# Altium PCB CanStepDriverPowerstep.PcbDoc
Units mm, origin at the board's own origin, x right, y up, seen from the top; angles counter-clockwise.
Board outline 80 x 80 mm, 4 copper layers (Top Layer, Power Layer, Ground Layer, Bottom Layer), stack 0.603 mm thick; 45 components, 43 nets, 243 pads, 50 vias.
Unrouted connection lines stored in the file: 89.
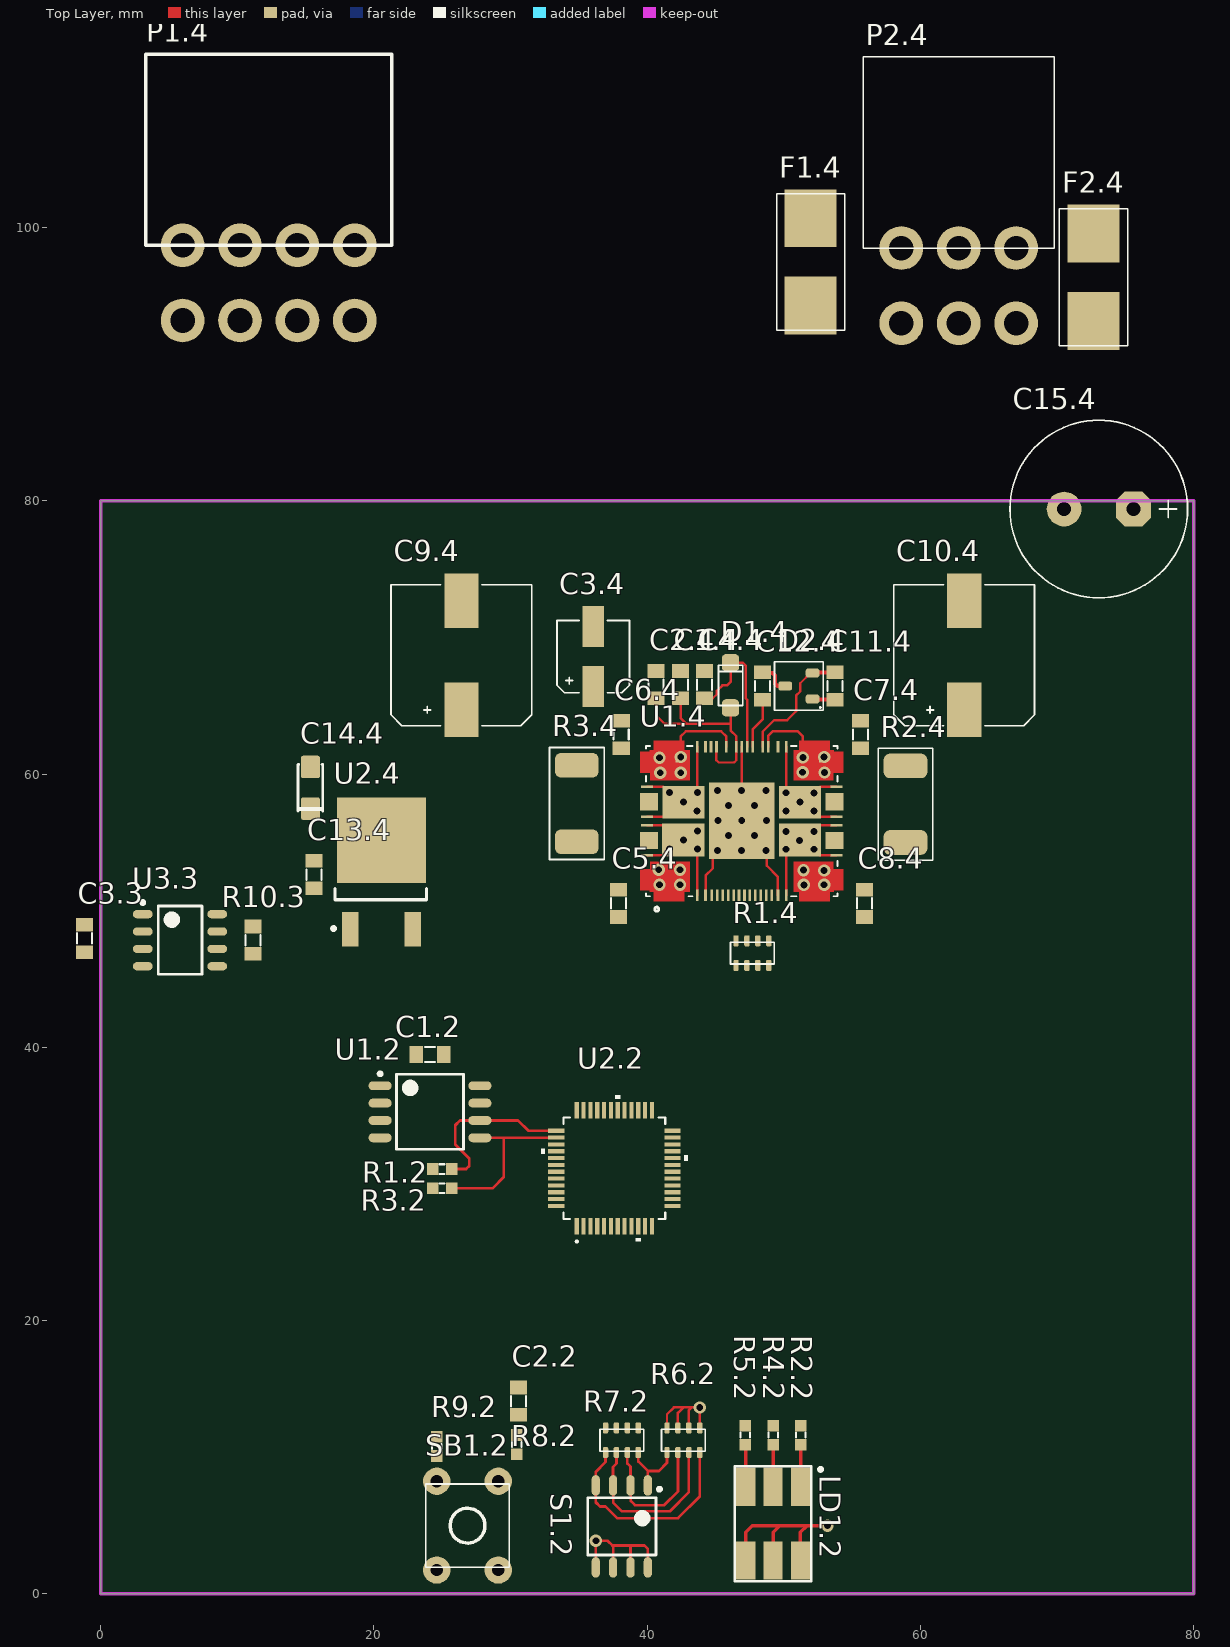
[diagram p0: Top Layer view]
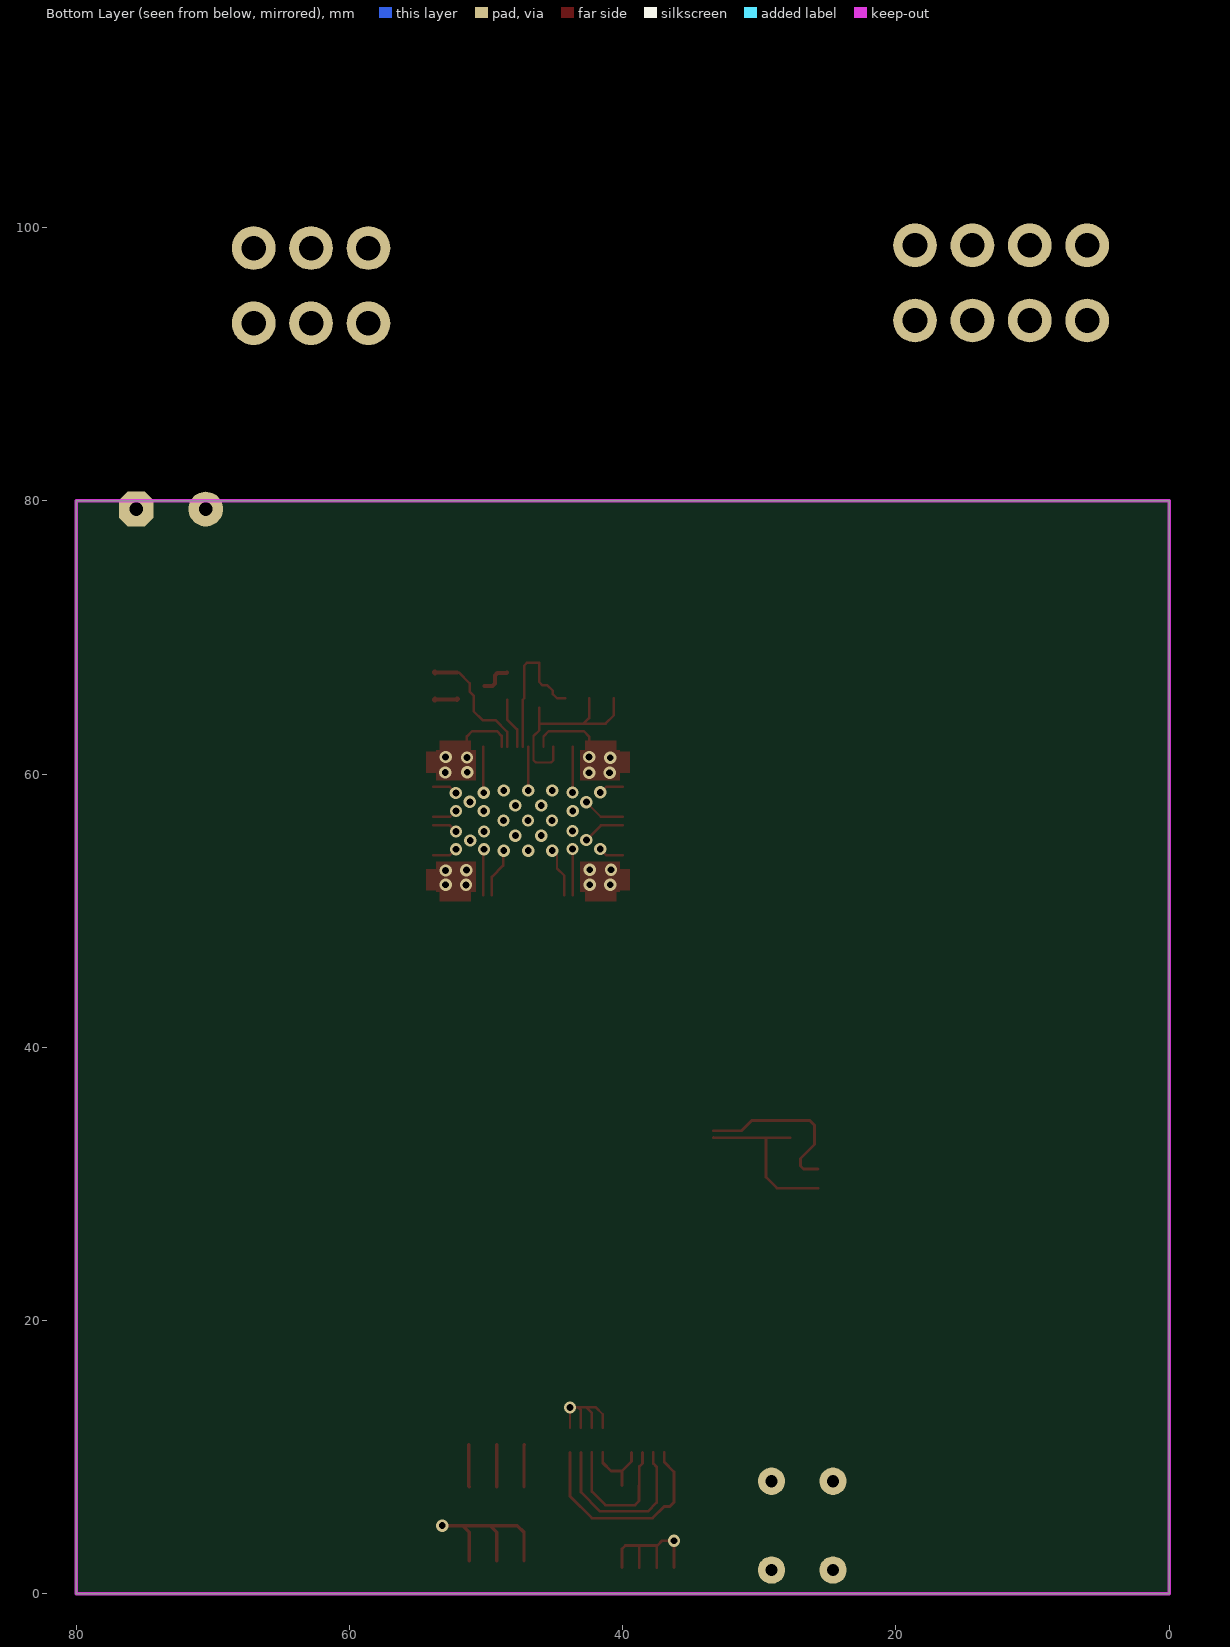
[diagram p1: Bottom Layer view, seen from below]
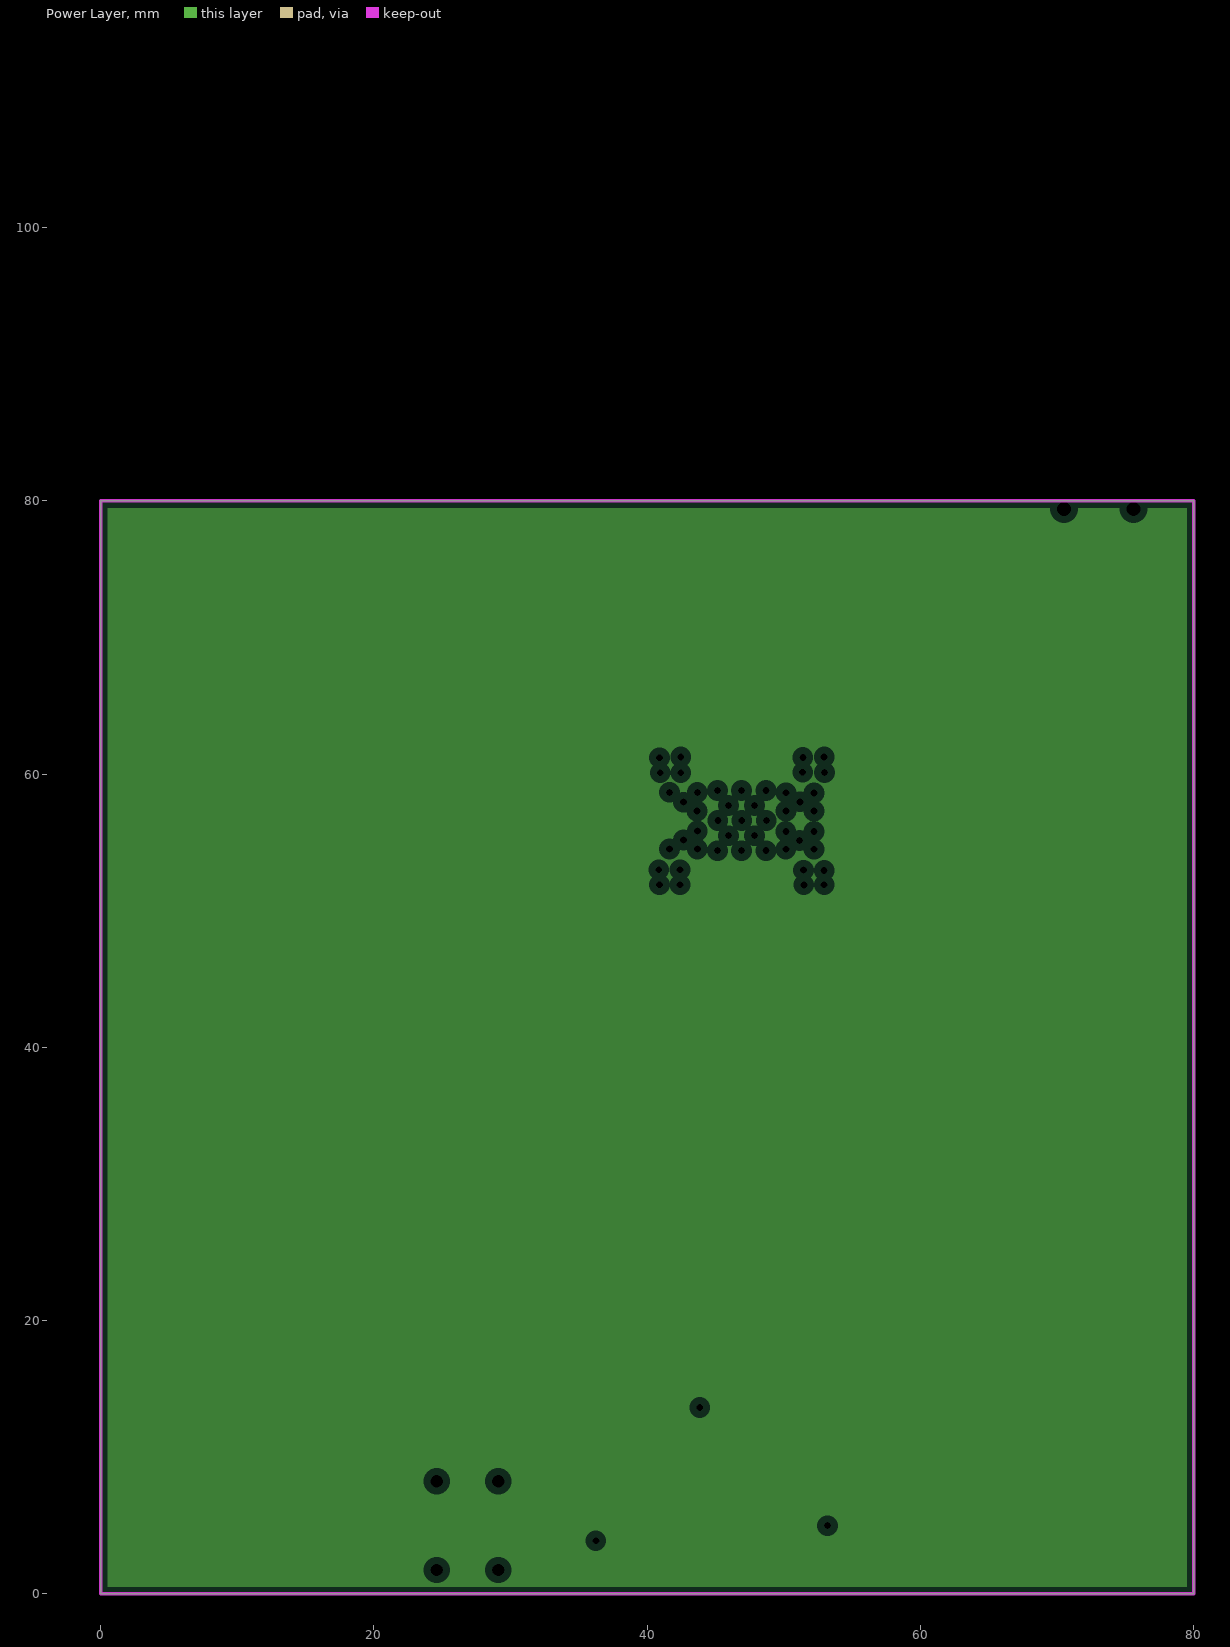
[diagram p2: Power Layer, clearances drawn from the general rule]
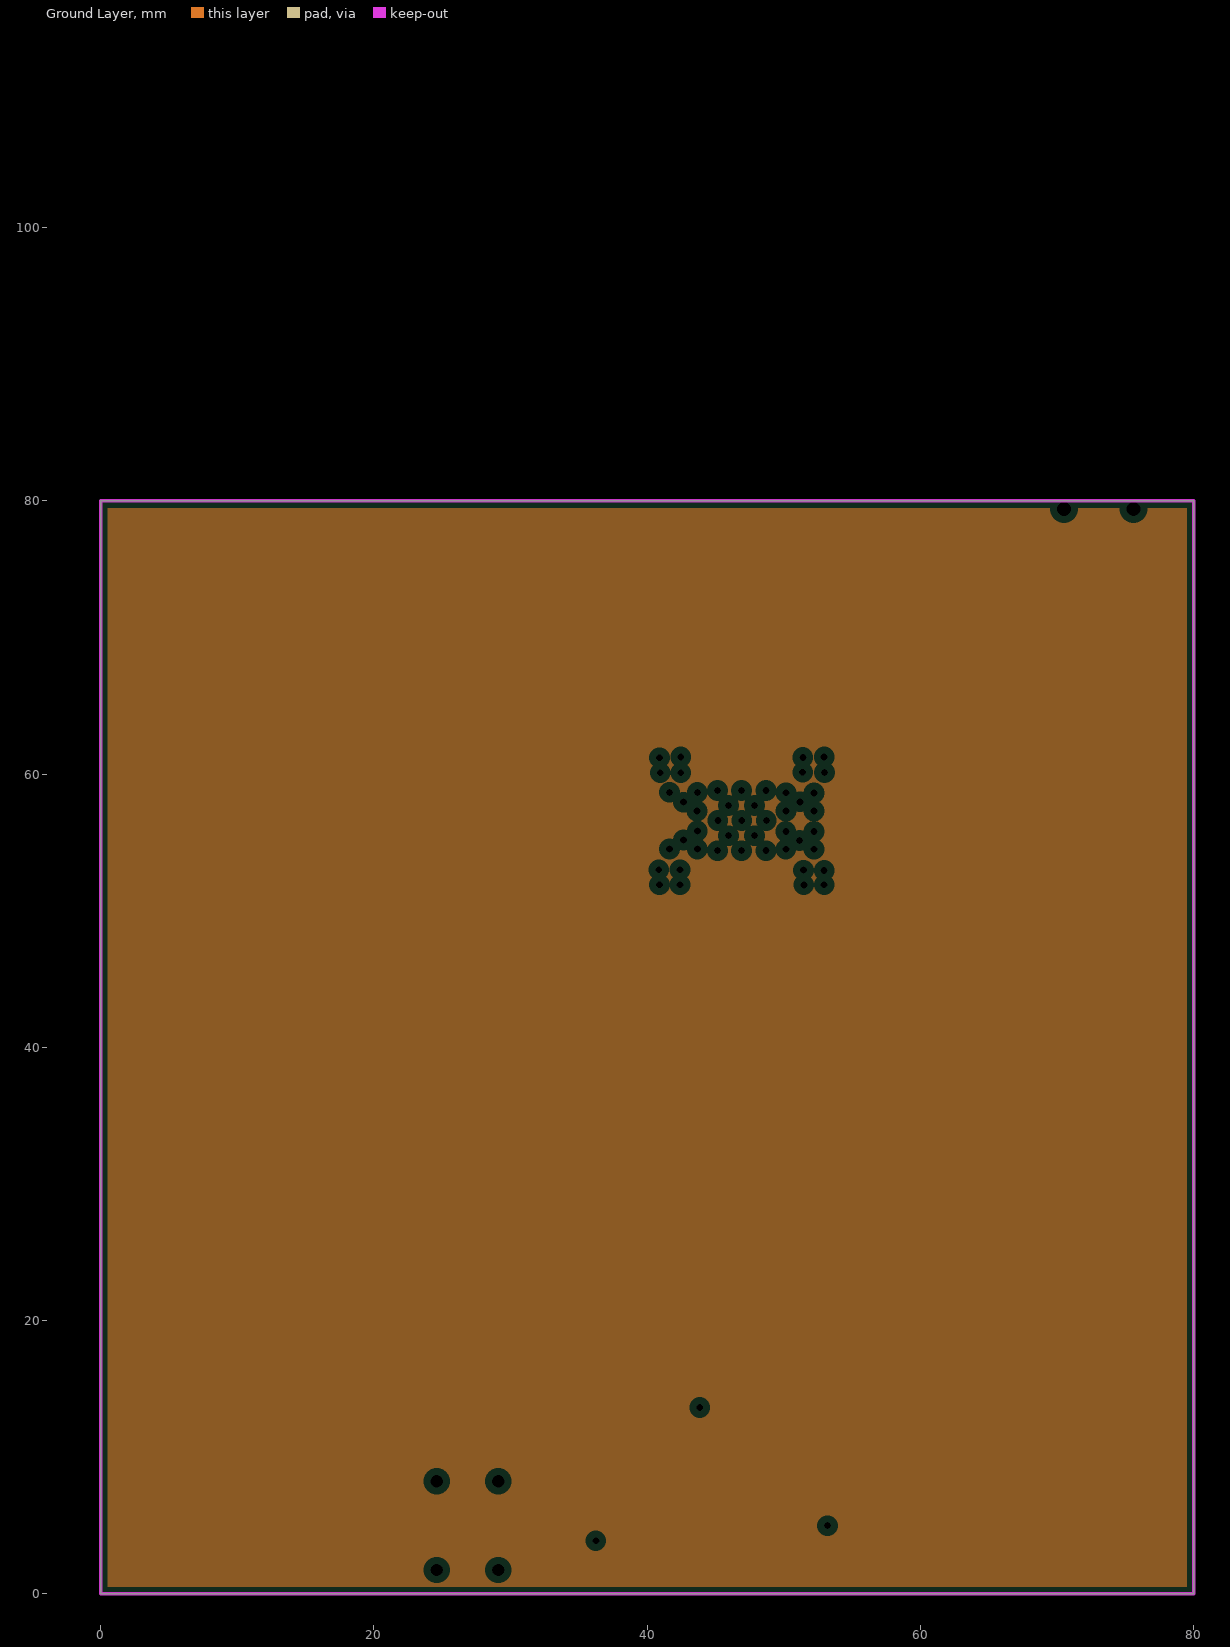
[diagram p3: Ground Layer, clearances drawn from the general rule]

## Layer stack, top to bottom
Top Solder: solder mask 0.0102, Solder Resist, Dk 3.5
Top Layer: signal copper 0.0356
Dielectric 2: prepreg 0.0711, PP-006, Dk 4.1
Power Layer: plane copper 0.035
Dielectric 1: dielectric 0.32, FR-4, Dk 4.8
Ground Layer: plane copper 0.035
Dielectric 3: prepreg 0.0711, PP-006, Dk 4.1
Bottom Layer: signal copper 0.0356
Bottom Solder: solder mask 0.0102, Solder Resist, Dk 3.5

## Board outline
0,0 0,80 80,80 80,0

## Design rules (kind name [scope] priority, off if disabled: settings)
Clearance [All] p1: gap=0.18 ignorepadtopadclearanceinfootprint=FALSE
PlaneClearance [All] p1: clearance=0.508
PlaneConnect [All] p1: planeconnectstyle=Relief reliefexpansion=0.508 reliefentries=4 reliefconductorwidth=0.254 reliefairgap=0.254
PolygonConnect [All] p1: connectstyle=Relief reliefconductorwidth=0.254 reliefentries=4 polygonreliefangle="90 Angle" airgapwidth=0.254
RoomDefinition "U_01 - MCU" [InComponentClass('U_01 - MCU')] p1: confinementstyle=ConfineIn formatcopy=TRUE lockcomponents=FALSE outline 13.1,-0.05 65.7,-0.05 65.7,43.55 13.1,43.55
RoomDefinition "U_03 - Power" [InComponentClass('U_03 - Power')] p2: confinementstyle=ConfineIn formatcopy=TRUE lockcomponents=FALSE outline 12.7,44.299 80.55,44.299 80.55,87.399 12.7,87.399
RoomDefinition "U_02 - Interfaces" [InComponentClass('U_02 - Interfaces')] p3: confinementstyle=ConfineIn formatcopy=TRUE lockcomponents=FALSE outline -9.3,36.594 12.95,36.594 12.95,76.544 -9.3,76.544
RoutingVias [All] p1: holewidth=0.711 width=1.27 viastyle="Through Hole" minholewidth=0.711 minwidth=1.27 maxholewidth=0.711 maxwidth=1.27
SolderMaskExpansion [All] p1: expansion=0.102 istentingtop=FALSE
Width [All] p1: maxlimit=1 minlimit=0.18 preferedwidth=0.25 minimp=50.000000 maximp=50.000000 favimp=50.000000
28 further rules are at their usual default settings.

## Classes and differential pairs
component class "U_02 - Interfaces": C3.3 R10.3 U3.3
component class "U_01 - MCU": C1.2 C2.2 LD1.2 R1.2 R2.2 R3.2 R4.2 R5.2 R6.2 R7.2 R8.2 R9.2 S1.2 SB1.2 U1.2 U2.2
component class "U_03 - Power": C1.4 C2.4 C3.4 C4.4 C5.4 C6.4 C7.4 C8.4 C9.4 C10.4 C11.4 C12.4 C13.4 C14.4 C15.4 D1.4 D2.4 F1.4 F2.4 P1.4 P2.4 R1.4 R2.4 R3.4 U1.4 U2.4

## Components (designator, comment, footprint, x,y, rotation, side; value= is the part's Value field where it differs from the comment)
C1.2 "100nF" "CAP: 0805" 24.105,39.479 r180 top (schematic designator C1)
C1.4 "100nF" "CAP: 0805" 42.45,66.549 r270 top (schematic designator C1)
C2.2 "100nF" "CAP: 0805" 30.571,14.109 r90 top (schematic designator C2)
C2.4 "220nF" "CAP: 0805" 40.65,66.549 r90 top (schematic designator C2)
C3.3 "100nF" "CAP: 0805" -1.175,47.972 r90 top (schematic designator C3)
C3.4 "47u" "EL SMD Case C D5x5.3 h5.4(0505)" 36.05,68.599 r90 top (schematic designator C3)
C4.4 "470nF" "CAP: 0805" 44.2,66.549 r90 top (schematic designator C4)
C5.4 "220nF" "CAP: 0805" 37.9,50.549 r270 top (schematic designator C5)
C6.4 "220nF" "CAP: 0805" 38.1,62.899 r90 top (schematic designator C6)
C7.4 "220nF" "CAP: 0805" 55.6,62.899 r90 top (schematic designator C7)
C8.4 "220nF" "CAP: 0805" 55.9,50.549 r270 top (schematic designator C8)
C9.4 "100u" "EL SMD Case G D10x10.3 h10.2(1010)" 26.4,68.699 r90 top (schematic designator C9)
C10.4 "100u" "EL SMD Case G D10x10.3 h10.2(1010)" 63.2,68.699 r90 top (schematic designator C10)
C11.4 "470nF" "CAP: 0805" 53.75,66.449 r90 top (schematic designator C11)
C12.4 "" "CAP: 0805" 48.45,66.449 r90 top value="47n x 100v" (schematic designator C12)
C13.4 "100nF" "CAP: 0805" 15.6,52.649 r90 top (schematic designator C13)
C14.4 "10u" "EL Case A (3216-18)" 15.35,58.999 r90 top (schematic designator C14)
C15.4 "1000u" El-d13-h21-F5.08 73.05,79.399 r0 top (schematic designator C15)
D1.4 "BAT46Z" SOD123 46.1,66.499 r90 top (schematic designator D1)
D2.4 "BAR43" SOT23 51.1,66.449 r90 top (schematic designator D2)
F1.4 "5A" "Littelfuse 0451/453" 51.966,97.49 r90 top (schematic designator F1)
F2.4 "8A" "Littelfuse 0451/453" 72.667,96.362 r90 top (schematic designator F2)
LD1.2 "FYLS-5050RGB" FYLS-5050RGB 49.215,5.143 r270 top (schematic designator LD1)
P1.4 "DS-1073-4x2" DS-1073-4x2 12.3,95.949 r90 top (schematic designator P1)
P2.4 "DS-1073_3x2" DS-1073-2x3 62.8,95.749 r90 top (schematic designator P2)
R1.2 "4k7" "RES: 0603" 24.994,31.097 r180 top (schematic designator R1)
R1.4 "47k" RM4x0603 47.7,46.899 r90 top (schematic designator R1)
R2.2 "220" "RES: 0603" 51.247,11.62 r270 top (schematic designator R2)
R2.4 "0R1" R2512 58.9,57.799 r270 top (schematic designator R2)
R3.2 "4k7" "RES: 0603" 24.994,29.7 r180 top (schematic designator R3)
R3.4 "0R1" R2512 34.85,57.849 r270 top (schematic designator R3)
R4.2 "220" "RES: 0603" 49.215,11.62 r270 top (schematic designator R4)
R5.2 "360" "RES: 0603" 47.183,11.62 r90 top (schematic designator R5)
R6.2 "10k" RM4x0603 42.65,11.25 r90 top (schematic designator R6)
R7.2 "470" RM4x0603 38.15,11.25 r270 top (schematic designator R7)
R8.2 "10k" "RES: 0603" 30.444,10.934 r90 top (schematic designator R8)
R9.2 "10k" "RES: 0603" 24.6,10.8 r90 top (schematic designator R9)
R10.3 "120" "RES: 0805" 11.144,47.845 r90 top (schematic designator R10)
S1.2 "DHN-04F-V" SOIC-8-DIP_W 38.141,4.943 r270 top (schematic designator S1)
SB1.2 "TS-06" TS-06 26.85,5 r0 top (schematic designator SB1)
U1.2 "24LC256I/SM" "SOP-8N (SOIJ)" 24.105,35.288 r0 top (schematic designator U1)
U1.4 "POWERSTEP01" POWERSTEP01 46.92,56.564 r90 top (schematic designator U1)
U2.2 "STM32G431CBTx" LQFP48-7x7mm 37.6,31.15 r90 top value=Value (schematic designator U2)
U2.4 "LD1117DT33CTR" DPAK 20.55,51.899 r90 top (schematic designator U2)
U3.3 "MCP2551" SOIC-8N 5.81,47.845 r0 top (schematic designator U3)

## Footprints (in the part's own frame and the unit in brackets; to place one, negate y for a bottom-side part, rotate by r counter-clockwise, add the part's x,y. Pads: shape width x height; smd on the part's side, far side on the other; paste and mask are expansions set on the pad)
"CAP: 0805" [mm]
  rect 1x1.25 smd: 1(-1,0) 2(1,0)
  silkscreen extent -0.38,-0.55 0.38,0.55, body extent -1,-0.62 1,0.63, height 0.78
DPAK [mm]
  rect 2.5x1.2 smd: 1(-3.25,2.29) 3(-3.25,-2.29)
  rect 6.25x6.5 smd: 2(3.25,0)
  round 0.5 on Mech1: ""(-3.2,2.9)
  silkscreen extent -3.32,-3.3 -0.3,3.62, body extent -3.8,-3.32 6.3,3.42, height 2.37
DS-1073-2x3 [mm]
  round 3.2 hole 1.8: 1(-2.75,4.2) 2(2.75,4.2) 3(-2.75,0) 4(2.75,0) 5(-2.75,-4.2) 6(2.75,-4.2)
  oval 1.35x1 hole 3.2 unplated: ""(10.05,-4.2) ""(10.05,4.2)
  silkscreen extent 2.75,-7 16.75,7, body extent -3.29,-7 16.84,6.9, height 11.44
DS-1073-4x2 [mm]
  round 3.2 hole 1.8: 1(-2.75,6.3) 2(2.75,6.3) 3(-2.75,2.1) 4(2.75,2.1) 5(-2.75,-2.1) 6(2.75,-2.1) 7(-2.75,-6.3) 8(2.75,-6.3)
  oval 1.35x1 hole 3.2 unplated: ""(10.05,-6.3) ""(10.05,6.3)
  silkscreen extent 2.75,-9 16.75,9, body extent -3.23,-9.08 16.9,8.98, height 11.44
"EL Case A (3216-18)" [mm] "Capacitor, SM Tantalum; Body 3.2 x 1.6 mm (LxW typ)"
  rrect25% 1.65x1.4 smd: 1(-1.525,0) 2(1.525,0)
  silkscreen extent -1.7,-0.9 1.7,0.9, body extent -1.6,-0.8 1.6,0.8, height 1.61
"EL SMD Case C D5x5.3 h5.4(0505)" [mm]
  rect 3x1.6 smd mask+0.102: 1(-2.2,0) 2(2.2,0)
  silkscreen extent -2.65,-2.65 2.65,2.65, body extent -2.95,-2.65 2.95,2.65, height 5.41
"EL SMD Case G D10x10.3 h10.2(1010)" [mm]
  rect 4x2.5 smd mask+0.102: 1(-4,0) 2(4,0)
  silkscreen extent -5.15,-5.15 5.15,5.15, body extent -5.8,-5.15 5.8,5.15, height 10.2
El-d13-h21-F5.08 [mil]
  oct 100x100 hole 40: 1(100,0)
  round 100 hole 40: 2(-100,0)
  silkscreen extent -256,-256 256,256, body extent -257,-256 257,255, height 848
FYLS-5050RGB [mm]
  rect 2.8x1.4 smd: 1(-2.7,2) 2(-2.7,0) 3(-2.7,-2) 4(2.7,-2) 5(2.7,0) 6(2.7,2)
  silkscreen extent -4.2,-2.8 4.2,3.6, body extent -2.76,-2.55 2.78,2.55, height 1.6
"Littelfuse 0451/453" [mm]
  rect 4.24x3.81 smd: 1(-3.19,0) 2(3.19,0)
  silkscreen extent -5,-2.5 5,2.5, body extent -5.09,-2.47 5.04,2.52, height 3.68
LQFP48-7x7mm [mm]
  rect 1.194x0.305 smd paste+0 mask+0: 1(-4.25,2.75) 2(-4.25,2.25) 3(-4.25,1.75) 4(-4.25,1.25) 5(-4.25,0.75) 6(-4.25,0.25) 7(-4.25,-0.25) 8(-4.25,-0.75) 9(-4.25,-1.25) 10(-4.25,-1.75) 11(-4.25,-2.25) 12(-4.25,-2.75) 25(4.25,-2.75) 26(4.25,-2.25) 27(4.25,-1.75) 28(4.25,-1.25) 29(4.25,-0.75) 30(4.25,-0.25) 31(4.25,0.25) 32(4.25,0.75) 33(4.25,1.25) 34(4.25,1.75) 35(4.25,2.25) 36(4.25,2.75)
  rect 0.305x1.194 smd paste+0 mask+0: 13(-2.75,-4.25) 14(-2.25,-4.25) 15(-1.75,-4.25) 16(-1.25,-4.25) 17(-0.75,-4.25) 18(-0.25,-4.25) 19(0.25,-4.25) 20(0.75,-4.25) 21(1.25,-4.25) 22(1.75,-4.25) 23(2.25,-4.25) 24(2.75,-4.25) 37(2.75,4.25) 38(2.25,4.25) 39(1.75,4.25) 40(1.25,4.25) 41(0.75,4.25) 42(0.25,4.25) 43(-0.25,4.25) 44(-0.75,4.25) 45(-1.25,4.25) 46(-1.75,4.25) 47(-2.25,4.25) 48(-2.75,4.25)
  silkscreen extent -5.43,-5.35 5.35,5.35, body extent -4.5,-4.5 4.5,4.5, height 1.6
POWERSTEP01 [mm]
  rect 0.5x0.5 smd paste-1 mask+0: 1(-3.6,4.65) 23(-3.6,-4.6) 43(4.55,-5.9) 66(4.55,4.6)
  rect 0.86x0.19 smd: 7(-5.435,3.27) 8(-5.435,2.65) 9(-5.435,2.2) 10(-5.435,1.8) 11(-5.435,1.4) 12(-5.435,1) 13(-5.435,0.6) 14(-5.435,0.2) 15(-5.435,-0.2) 16(-5.435,-0.6) 17(-5.435,-1) 18(-5.435,-1.4) 19(-5.435,-1.8) 20(-5.435,-2.2) 21(-5.435,-2.65) 22(-5.435,-3.27) 53(5.435,-3.27) 54(5.435,-2.65) 55(5.435,-1.93) 56(5.435,-1.53) 57(5.435,-0.8) 58(5.435,-0.4) 59(5.435,0) 60(5.435,0.4) 61(5.435,1.13) 62(5.435,1.85) 63(5.435,2.25) 64(5.435,2.65) 65(5.435,3.27)
  rect 0.19x0.86 smd: 33(-2.51,-6.935) 37(-0.32,-6.935) 38(0.32,-6.935) 42(2.51,-6.935) 76(2.51,6.935) 80(0.32,6.935) 81(-0.32,6.935) 85(-2.51,6.935)
  rect 1.26x1.3 smd paste-2: 34(-1.42,-6.79) 39(1.42,-6.79) 77(1.42,6.79) 82(-1.42,6.79)
  rect 2.4x3.1 smd paste-3: EPAD3(-1.38,-4.26) EPAD4(1.38,-4.26) EPAD7(1.38,4.26) EPAD8(-1.38,4.27)
  rect 5.6x4.8 smd paste-4: EPAD9(0.04,0)
  Top Layer region: -3.54,6.71 -2.99,6.71 -2.99,3.81 -5.18,3.81 -5.18,4.2 -5.86,4.2 -5.86,6.45 -5.19,6.45 -5.19,6.72 -5.07,6.72 -5.07,7.44 -3.54,7.44
  Top Layer region: 5.18,-4.2 5.86,-4.2 5.86,-6.45 5.19,-6.45 5.19,-6.72 5.07,-6.72 5.07,-7.44 3.54,-7.44 3.54,-6.71 2.99,-6.71 2.99,-3.81 5.18,-3.81
  Top Layer region: 5.07,6.72 5.19,6.72 5.19,6.45 5.86,6.45 5.86,4.2 5.18,4.2 5.18,3.81 2.99,3.81 2.99,6.71 3.54,6.71 3.54,7.44 5.07,7.44
  Top Layer region: -2.99,-6.71 -3.54,-6.71 -3.54,-7.44 -5.07,-7.44 -5.07,-6.72 -5.19,-6.72 -5.19,-6.45 -5.86,-6.45 -5.86,-4.2 -5.18,-4.2 -5.18,-3.81 -2.99,-3.81
  silkscreen extent -6.59,-7 5.5,7, body extent -5.5,-7 5.5,7, height 1
R2512 [mm]
  rrect50% 1.8x3.2 smd: 1(-2.8,0) 2(2.8,0)
  silkscreen extent -4.1,-2 4.1,2, body extent -3.16,-1.6 3.16,1.6, height 0.62
"RES: 0603" [mm]
  rect 0.85x0.85 smd: 1(-0.7,0) 2(0.7,0)
  silkscreen extent -0.18,-0.35 0.18,0.35, body extent -0.8,-0.4 0.8,0.4, height 0.44
"RES: 0805" [mm]
  rect 1x1.25 smd: 1(-1,0) 2(1,0)
  silkscreen extent -0.38,-0.55 0.38,0.55, body extent -1,-0.6 1,0.6, height 0.44
RM4x0603 [mm]
  rrect50% 0.8x0.4 smd: 1(-0.9,1.2) 2(-0.9,0.4) 3(-0.9,-0.4) 4(-0.9,-1.2) 5(0.9,-1.2) 6(0.9,-0.4) 7(0.9,0.4) 8(0.9,1.2)
  silkscreen extent -0.8,-1.6 0.8,1.6, body extent -0.8,-1.6 0.8,1.6, height 0.5
SOD123 [mil]
  rrect50% 50x50 smd: 1(-65,0) 2(65,0)
  silkscreen extent -58,-35 58,35, body extent -77,-35 77,35, height 47
SOIC-8-DIP_W [mm] "SOIC, 8-Leads, Body 4,90x3,90mm, Pitch 1,27mm, IPC Medium Density"
  oval 1.5x0.6 smd: 1(-3,1.905) 2(-3,0.635) 3(-3,-0.635) 4(-3,-1.905) 5(3,-1.905) 6(3,-0.635) 7(3,0.635) 8(3,1.905)
  silkscreen extent -2.85,-2.5 2.1,2.88, body extent -3.35,-3.15 3.35,3.16, height 1.61
SOIC-8N [mm] "SOIC, 8-Leads, Body 4,90x3,90mm, Pitch 1,27mm, IPC Medium Density"
  oval 1.45x0.6 smd: 1(-2.725,1.905) 2(-2.725,0.635) 3(-2.725,-0.635) 4(-2.725,-1.905) 5(2.725,-1.905) 6(2.725,-0.635) 7(2.725,0.635) 8(2.725,1.905)
  silkscreen extent -2.85,-2.5 1.6,2.88, body extent -3,-2.5 3,2.5, height 1.75
"SOP-8N (SOIJ)" [mm] "SOP, 8-Leads, Body 5,38x5,38mm, Pitch 1,27mm, IPC Medium Density"
  oval 1.7x0.65 smd: 1(-3.65,1.905) 2(-3.65,0.635) 3(-3.65,-0.635) 4(-3.65,-1.905) 5(3.65,-1.905) 6(3.65,-0.635) 7(3.65,0.635) 8(3.65,1.905)
  silkscreen extent -3.77,-2.75 2.45,2.9, body extent -4,-2.62 4,2.63, height 2.58
SOT23 [mm] "SOT-23; 3 Leads; Body 3.0 x 2.6 mm Pitch 0.95mm"
  rrect50% 0.65x1 smd: 1(-0.95,-1) 2(0.95,-1) 3(0,1)
  silkscreen extent -1.78,-1.78 1.78,1.78, body extent -1.46,-1.23 1.46,1.24, height 1
TS-06 [mm]
  round 2 hole 0.9: 1(-2.25,-3.25) 1(-2.25,3.25) 2(2.25,-3.25) 2(2.25,3.25)
  silkscreen extent -3.05,-3.05 3.05,3.05, body extent -3,-3.3 3,3.3, height 3.95

## Part data
C1.2 C1.4 C2.2 C2.4 C3.3 C4.4 C5.4 C6.4 C7.4 C8.4 C11.4 C12.4 C13.4: library part C-0805, "SMD-0805", Price=0.014
  C2.4 C5.4 C6.4 C7.4 C8.4: ComponentLink1Description="New link", ComponentLink1URL=https://www.electronshik.ru/item/YAG/CC0805KKX7R9BB224
  C4.4 C11.4: ComponentLink1Description="New link", ComponentLink1URL=https://www.electronshik.ru/item/MUR/GRM21BR71H474KA88L
  C12.4: ComponentLink1Description="New link", ComponentLink1URL=https://www.electronshik.ru/item/YAG/CC0805KKX7R0BB473
C3.4: library part "EL 10u/50V", "EL 50V SMD Case C D5x5.3 h5.4", Price=0.014
C9.4 C10.4: library part "EL 100u/35V", "EL 35V SMD Case G D10x10.3h10.5", ComponentLink1Description="New link", ComponentLink1URL=https://www.chipdip.ru/product0/9000565738, Price=0.014
C14.4: library part "EL 10u/16V Tant.", "El Case A (2012-12)", ComponentLink1Description="New link", ComponentLink1URL=https://www.electronshik.ru/item/VISHAY/293D106X0016A2TE3, ComponentLink2Description="New link", ComponentLink2URL=https://www.chipdip.ru/product0/868717967, Price=0.22
C15.4: library part "1000u-35V 105F", "35V 105C 34m 1.8A 5000h", Price=0.42
D1.4: library part 1N6263, "SMD-SOT123 60V 15mA 2.2pF 1nS", ComponentLink1Description="New link", ComponentLink1URL=https://www.electronshik.ru/item/ST/BAT46ZFILM, Price=0.07
D2.4: library part BAT54S, "SMD-SOT23 30V 0.2A 5nS 10pF", ComponentLink1Description="New link", ComponentLink1URL=https://www.electronshik.ru/item/ST/BAR43FILM, Price=0.08
F1.4 F2.4: library part "Littelfuse 0451", "0451003", ComponentLink1Description="New link", ComponentLink1URL=https://www.electronshik.ru/item/LTL/0451003.MRL, Price=0.3
R1.2 R2.2 R3.2 R4.2 R5.2 R8.2 R9.2: library part R-0603, "SMD 0603 0.0625W 5% 50V", Price=0.017
R1.4 R6.2 R7.2: library part 4RM-0603, "SMD 4RM-0603 1\16W 5%", ComponentLink1Description="New link", Price=0.07
  R1.4: ComponentLink1URL=https://www.electronshik.ru/item/BOURNS/CAT16-473J4LF
  R6.2: ComponentLink1URL=https://www.electronshik.ru/item/BOURNS/CAT16-103J4LF
  R7.2: ComponentLink1URL=https://www.electronshik.ru/item/BOURNS/CAT16-471J4LF
R2.4 R3.4: library part R-2512, "SMD 2512 1W 5% 200V", ComponentLink1Description="New link", ComponentLink1URL=https://www.electronshik.ru/item/BOURNS/CRA2512-FZ-R100ELF, Price=0.087
R10.3: library part R-0805, "SMD 0805 0.1W 5% 150V", Price=0.017
S1.2: library part "SW DIP-4", "DIP Switch, 4 Position, SPST", Code_IPC=SOIC127P600-8, Code_JEDEC=MS-012-AA, ComponentLink1Description="New link", ComponentLink1URL=https://www.electronshik.ru/item/DIP/DHN-04F-V, LatestRevisionDate=29-May-2009, LatestRevisionNote="IPC-7351 Footprint Added.", PackageDescription="8-Pin Small Outline Integrated Circuit 1.27 mm Pitch", PackageReference=SO8, PackageVersion=Dec-2002, Published=24-Mar-1999, Publisher="Altium Limited"
SB1.2: library part "Buton TS-06", Price=0.15
U1.4: "Bipolar Motor Driver Power MOSFET SPI 89-VFQFPN _11x14_", Package="PowerVFQFN-89 STMicroelectronics", Availability=Unavailable, ComponentLink1Description=Buy, ComponentLink1URL=https://www.electronshik.ru/item/ST/POWERSTEP01, ComponentLink2Description=Module, ComponentLink2URL=https://www.st.com/resource/en/user_manual/dm00206777-getting-started-with-the-high-power-stepper-motor-driver-expansion-board-based-on-powerstep01-for-stm32-nucleo-stmicroelectronics.pdf, ComponentLink3Description=Software, ComponentLink3URL=https://www.st.com/resource/en/user_manual/dm00207127-getting-started-with-the-xcubespn3-high-power-stepper-motor-driver-software-expansion-for-stm32cube-stmicroelectronics.pdf, ComponentLink4Description=Datasheet, ComponentLink4URL=https://www.st.com/resource/en/datasheet/powerstep01.pdf, MF=STMicroelectronics, MP=POWERSTEP01, Price=None
U2.2: "Mainstream Arm Cortex-M4 core with DSP and FPU, 170MHz with 128Kbytes of Flash memory, Math Accelerator, Medium Analog level integration", Manufacturer_Part_Number=stm32g4_lqfp48_t1, Built_By=EMA_Jessica, Copyright="Copyright (C) 2016 Accelerated Designs. All rights reserved", RefDes=RefDes, Type=DEV, Vendor=STMicroelectronics
LD1.2: ComponentLink1Description="New link", ComponentLink1URL=https://www.chipdip.ru/catalog/smd-leds?gq=FYLS-5050RGB
P1.4: ComponentLink1Description="New link", ComponentLink1URL=https://www.chipdip.ru/product/ds1073-01-2x4-mr2t6-mf2x4mra
P2.4: ComponentLink1Description="New link", ComponentLink1URL=https://www.chipdip.ru/product/ds1073-01-2x3-mr2t6-mf2x3mra
U1.2: ComponentLink1Description="New link", ComponentLink1URL=https://www.chipdip.ru/product/24lc256-i-sm
U2.4: ComponentLink1Description="New link", ComponentLink1URL=https://www.chipdip.ru/product/ld1117dt33ctr

## Via types
v1: diameter 0.9, hole 0.5, Top Layer to Bottom Layer, 50 vias

## Nets (pads, with @x,y where several pads share a name; then routed paths per layer and width w, separated by ;. In a path a pad name is that pad's centre, name@x,y a point inside that pad or via, vN(x,y) a via of type N, cw(c..) or ccw(c..) an arc to the next point about the centre after c; other vN are vias at no path point)
+3.3V: C1.4.2 C2.4.1 C3.4.1 C14.4.1 D1.4.1 R1.2.2 R1.4.2 R1.4.3 R1.4.4 R3.2.2 R6.2.5 R6.2.6 R6.2.7 R6.2.8 R8.2.1 SB1.2.2 U1.2.8 U1.4.13 U1.4.60 U1.4.62 U2.4.2 | length 23.9
  Top Layer w0.18: C2.4.1 40.65,64.299 41.25,63.699 42.85,63.699 ; R6.2.8 41.45,13.15 41.95,13.65 42.65,13.65 ; R6.2.7 42.25,13.25 42.65,13.65 ; C1.4.2 42.45,64.099 42.85,63.699 ; R6.2.6 43.05,13.45 43.25,13.65 ; R6.2.5 v1(43.85,13.65) 43.25,13.65 ; U1.4.62 45.07,61.014 45.235,60.849 46.35,60.849 46.52,61.019 U1.4.60 46.52,62.779 46.1,63.199 46.1,63.699 ; D1.4.1 46.1,63.699 ; 42.65,13.65 43.25,13.65 ; 42.85,63.699 46.1,63.699
+5V: C3.3.1 C13.4.2 LD1.2.4 LD1.2.5 LD1.2.6 U2.4.3 U3.3.3 | length 13.8
  Top Layer w0.25: LD1.2.4 47.215,4.515 47.7,5 49.7,5 ; LD1.2.5 49.215,4.515 49.7,5 ; LD1.2.6 51.215,4.515 51.7,5 ; v1(53.2,5) 51.7,5 ; 49.7,5 51.7,5
+12V: F1.4.1
+24V: C5.4.1 C6.4.1 C7.4.1 C8.4.1 C9.4.1 C10.4.1 C11.4.1 C15.4.1 D2.4.1 F2.4.1 U1.4.1 U1.4.23 U1.4.43 U1.4.55 U1.4.61 U1.4.66 | length 12.8
  Top Layer w0.18: v1(42.45,61.249) 42.45,62.749 42.835,63.134 45.415,63.134 45.79,62.759 U1.4.61 ; U1.4.55 48.85,62.799 49.2,63.149 51,63.149 51.392,62.757 v1(51.392,61.212)
  Top Layer w0.3: D2.4.1@52.125,65.474 C11.4.1@53.725,65.474
  Top Layer w0.381: D2.4.1 D2.4.1@52.125,65.474 ; C11.4.1@53.725,65.474 C11.4.1
  other v1: 40.9,51.899 42.4,51.899 51.466,51.897 52.95,51.899 52.95,52.949 51.433,52.974 40.85,52.999 42.4,52.999 40.95,60.099 42.45,60.099 52.974,60.125 51.374,60.142 40.9,61.199 52.95,61.249
BTN: R9.2.1 SB1.2.1
CANH: R10.3.2 U3.3.7
CANL: R10.3.1 U3.3.6
GND: C1.2.2 C1.4.1 C2.4.2 C3.3.2 C3.4.2 C4.4.2 C5.4.2 C6.4.2 C7.4.2 C8.4.2 C9.4.2 C10.4.2 C13.4.1 C14.4.2 C15.4.2 P2.4.2 P2.4.4 P2.4.6 R2.4.1 R3.4.1 R9.2.2 S1.2.5 S1.2.6 S1.2.7 S1.2.8 U1.2.1 U1.2.2 U1.2.3 U1.2.4 U1.2.7 U1.4.8 U1.4.21 U1.4.59 U1.4.EPAD9 U2.4.1 U3.3.2 | length 21.1
  Top Layer w0.18: U1.4.8 44.27,52.569 44.8,53.099 44.8,54.049 v1(45.15,54.399) ; v1(46.9,58.799) 46.92,58.819 U1.4.59 ; v1(48.7,54.399) 48.75,54.349 48.75,53.299 49.57,52.479 U1.4.21
  Top Layer w0.2: S1.2.5 36.243,1.95 v1(36.243,3.893) 37.107,3.893 37.45,3.55 ; S1.2.6 37.506,3.494 37.45,3.55 ; S1.2.7 38.776,3.524 38.75,3.55 ; S1.2.8 40.046,3.304 39.8,3.55 38.75,3.55 ; 37.45,3.55 38.75,3.55
  other v1: 46.9,54.399 45.95,55.499 47.85,55.499 45.17,56.604 46.92,56.604 48.72,56.604 45.95,57.699 47.85,57.699 45.15,58.799 48.7,58.799
NetC2.2_1: C2.2.1 R8.2.2 U2.2.7
NetC4.4_1: C4.4.1 D1.4.2 U1.4.58 | length 11.1
  Top Layer w0.18: C4.4.1 44.8,65.549 45.1,65.849 45.1,66.099 45.5,66.499 45.85,66.499 46.1,66.749 D1.4.2 46.999,68.15 47.2,67.949 47.2,65.549 47.32,65.429 U1.4.58
NetC11.4_2: C11.4.2 D2.4.2 U1.4.56 | length 9.2
  Top Layer w0.18: U1.4.56 48.45,63.099 49.3,63.949 50.25,63.949 50.9,64.599 50.9,65.749 51.2,66.049 51.2,66.649 51.975,67.424 D2.4.2@52.125,67.424
  Top Layer w0.3: D2.4.2@52.125,67.424 C11.4.2@53.725,67.424
  Top Layer w0.381: C11.4.2@53.725,67.424 C11.4.2
NetC12.4_1: C12.4.1 U1.4.57 | length 3.8
  Top Layer w0.18: U1.4.57 47.72,63.269 48.45,63.999 C12.4.1
NetC12.4_2: C12.4.2 D2.4.3 | length 2.4
  Top Layer w0.3: C12.4.2 48.5,67.399 49.174,67.399 49.35,67.223 49.35,66.625 49.526,66.449 D2.4.3
NetF1.4_2: F1.4.2 P2.4.1
NetF2.4_2: F2.4.2 P2.4.3 P2.4.5
NetLD1.2_1: LD1.2.1 R2.2.2 | length 3.1
  Top Layer w0.25: LD1.2.1 51.247,7.875 R2.2.2
NetLD1.2_2: LD1.2.2 R4.2.2 | length 3.1
  Top Layer w0.25: LD1.2.2 R4.2.2
NetLD1.2_3: LD1.2.3 R5.2.1 | length 3.1
  Top Layer w0.25: R5.2.1 47.215,10.888 LD1.2.3
NetP1.4_1: P1.4.1 P1.4.2
NetP1.4_3: P1.4.3 P1.4.4
NetR6.2_1: R6.2.1 R7.2.8 S1.2.1 | length 5.1
  Top Layer w0.2: R7.2.8 39.35,9.7 40.046,9.004 ; S1.2.1 40.046,9.004 ; R6.2.1 41.45,9.6 40.854,9.004 40.046,9.004
NetR6.2_2: R6.2.2 R7.2.7 S1.2.2 | length 10.5
  Top Layer w0.2: R7.2.7 38.55,9.55 38.776,9.324 S1.2.2 38.8,7.919 38.8,6.8 39.1,6.5 41.25,6.5 42.25,7.5 R6.2.2
NetR6.2_3: R6.2.3 R7.2.6 S1.2.3 | length 13.1
  Top Layer w0.2: R7.2.6 37.75,9.55 37.5,9.3 37.5,7.949 S1.2.3 37.506,6.694 38.15,6.05 41.65,6.05 43.05,7.45 R6.2.3
NetR6.2_4: R6.2.4 R7.2.5 S1.2.4 | length 15.9
  Top Layer w0.2: R7.2.5 36.95,9.65 36.236,8.936 S1.2.4 36.236,6.714 36.55,6.4 36.95,6.4 37.8,5.55 42.25,5.55 43.85,7.15 R6.2.4
NetU2.2_33: U2.2.33 U3.3.4
NetU2.2_34: U2.2.34 U3.3.1
NetU3.3_8: U3.3.8
OUTA1: P1.4.5 U1.4.38 U1.4.42 U1.4.53 U1.4.EPAD4 | length 7
  Top Layer w0.18: v1(50.163,58.633) 50.19,58.66 U1.4.53 ; v1(52.2,57.299) 52.615,56.884 U1.4.38 ; v1(52.2,58.619) 52.205,58.619 52.66,59.074 U1.4.42
  other v1: 50.163,57.299 51.18,57.969
OUTA2: P1.4.8 U1.4.22 U1.4.33 U1.4.37 U1.4.EPAD3 | length 7.1
  Top Layer w0.18: v1(50.15,54.499) 50.19,54.459 U1.4.22 ; v1(52.2,54.499) 52.215,54.499 52.66,54.054 U1.4.33 ; v1(52.2,55.799) 52.2,55.804 52.64,56.244 U1.4.37
  other v1: 51.15,55.149 50.15,55.799
OUTB1: P1.4.6 U1.4.65 U1.4.76 U1.4.80 U1.4.EPAD7 | length 8.3
  Top Layer w0.18: U1.4.80 41.6,56.884 U1.4.EPAD7 ; U1.4.76 41.18,59.074 41.591,58.663 v1(41.633,58.663) ; U1.4.65 43.65,58.669 v1(43.67,58.649)
  other v1: 43.65,57.299 42.65,57.949
OUTB2: P1.4.7 U1.4.7 U1.4.81 U1.4.85 U1.4.EPAD8 | length 8.3
  Top Layer w0.18: U1.4.85 41.17,54.054 41.63,54.514 v1(41.633,54.514) ; U1.4.81 41.59,56.244 v1(42.65,55.184) ; U1.4.7 43.65,54.494 v1(43.67,54.514)
  other v1: 43.67,55.834
PA0: R1.4.6 U1.4.16 U2.2.8
PA1: R1.4.7 U1.4.15 U2.2.9
PA2: R1.4.5 U1.4.17 U2.2.10
PA3: U1.4.19 U2.2.11
PA4: U1.4.10 U2.2.12
PA5: U1.4.11 U2.2.13
PA6: U1.4.14 U2.2.14
PA7: U1.4.12 U2.2.15
SCL_PA13: R1.2.1 U1.2.6 U2.2.37 | length 12.6
  Top Layer w0.2: R1.2.1 26.75,31.097 26.975,31.322 26.975,31.875 25.95,32.9 25.95,34.3 26.303,34.653 U1.2.6 30.547,34.653 31.3,33.9 U2.2.37
SDA_PA14: R3.2.1 U1.2.5 U2.2.38 | length 12.6
  Top Layer w0.2: R3.2.1 28.7,29.7 29.5,30.5 29.5,33.392 ; U1.2.5 27.764,33.392 29.5,33.392 ; U2.2.38 33.342,33.392 29.5,33.392
SEN_A: R2.4.2 U1.4.20 U1.4.34 U1.4.39
SEN_B: R3.4.2 U1.4.9 U1.4.77 U1.4.82
pads on no net: C1.2.1 C2.2.2 P1.4. P2.4. R1.4.1 R1.4.8 R2.2.1 R4.2.1 R5.2.2 R7.2.1 R7.2.2 R7.2.3 R7.2.4 U1.4.18 U1.4.54 U1.4.63 U1.4.64 U2.2.1 U2.2.2 U2.2.3 U2.2.4 U2.2.5 U2.2.6 U2.2.16 U2.2.17 U2.2.18 U2.2.19 U2.2.20 U2.2.21 U2.2.22 U2.2.23 U2.2.24 U2.2.25 U2.2.26 U2.2.27 U2.2.28 U2.2.29 U2.2.30 U2.2.31 U2.2.32 U2.2.35 U2.2.36 U2.2.39 U2.2.40 U2.2.41 U2.2.42 U2.2.43 U2.2.44 U2.2.45 U2.2.46 U2.2.47 U2.2.48 U2.4. U3.3.5

## Polygon pours and split planes (outlines as drawn)
no net on Power Layer (split plane): 79.49,0.51 0.51,0.51 0.51,79.49 79.49,79.49
no net on Ground Layer (split plane): 79.49,0.51 0.51,0.51 0.51,79.49 79.49,79.49

## Keep-outs
Keep-Out Layer:
  the board outline again, w0.254

## Text inside footprints (layer, text, board x,y; h text height)
U2.2: Mechanical 7 "Default Padstyle: RX47Y12D0T" at 49.051,22.26 h1.27 r90; Mechanical 7 "Alt 1 Padstyle: OX60Y90D30P" at 53.623,22.578 h1.27 r90; Mechanical 7 "Alt 2 Padstyle: OX90Y60D30P" at 55.147,22.578 h1.27 r90; Mechanical 7 "0.02in/0.5mm" at 35.418,20.842 h0.64 r90; Mechanical 7 "0.335in/8.5mm" at 37.918,37.648 h0.64 r90; Mechanical 7 "0.335in/8.5mm" at 45.114,29.086 h0.64 r90; Mechanical 7 "0.283in/7.188mm" at 45.685,28.769 h0.64 r90; Mechanical 7 "0.283in/7.188mm" at 37.918,18.937 h0.64 r90